# Altium PCB Ixora.PcbDoc (part 6 of 13) (continued)
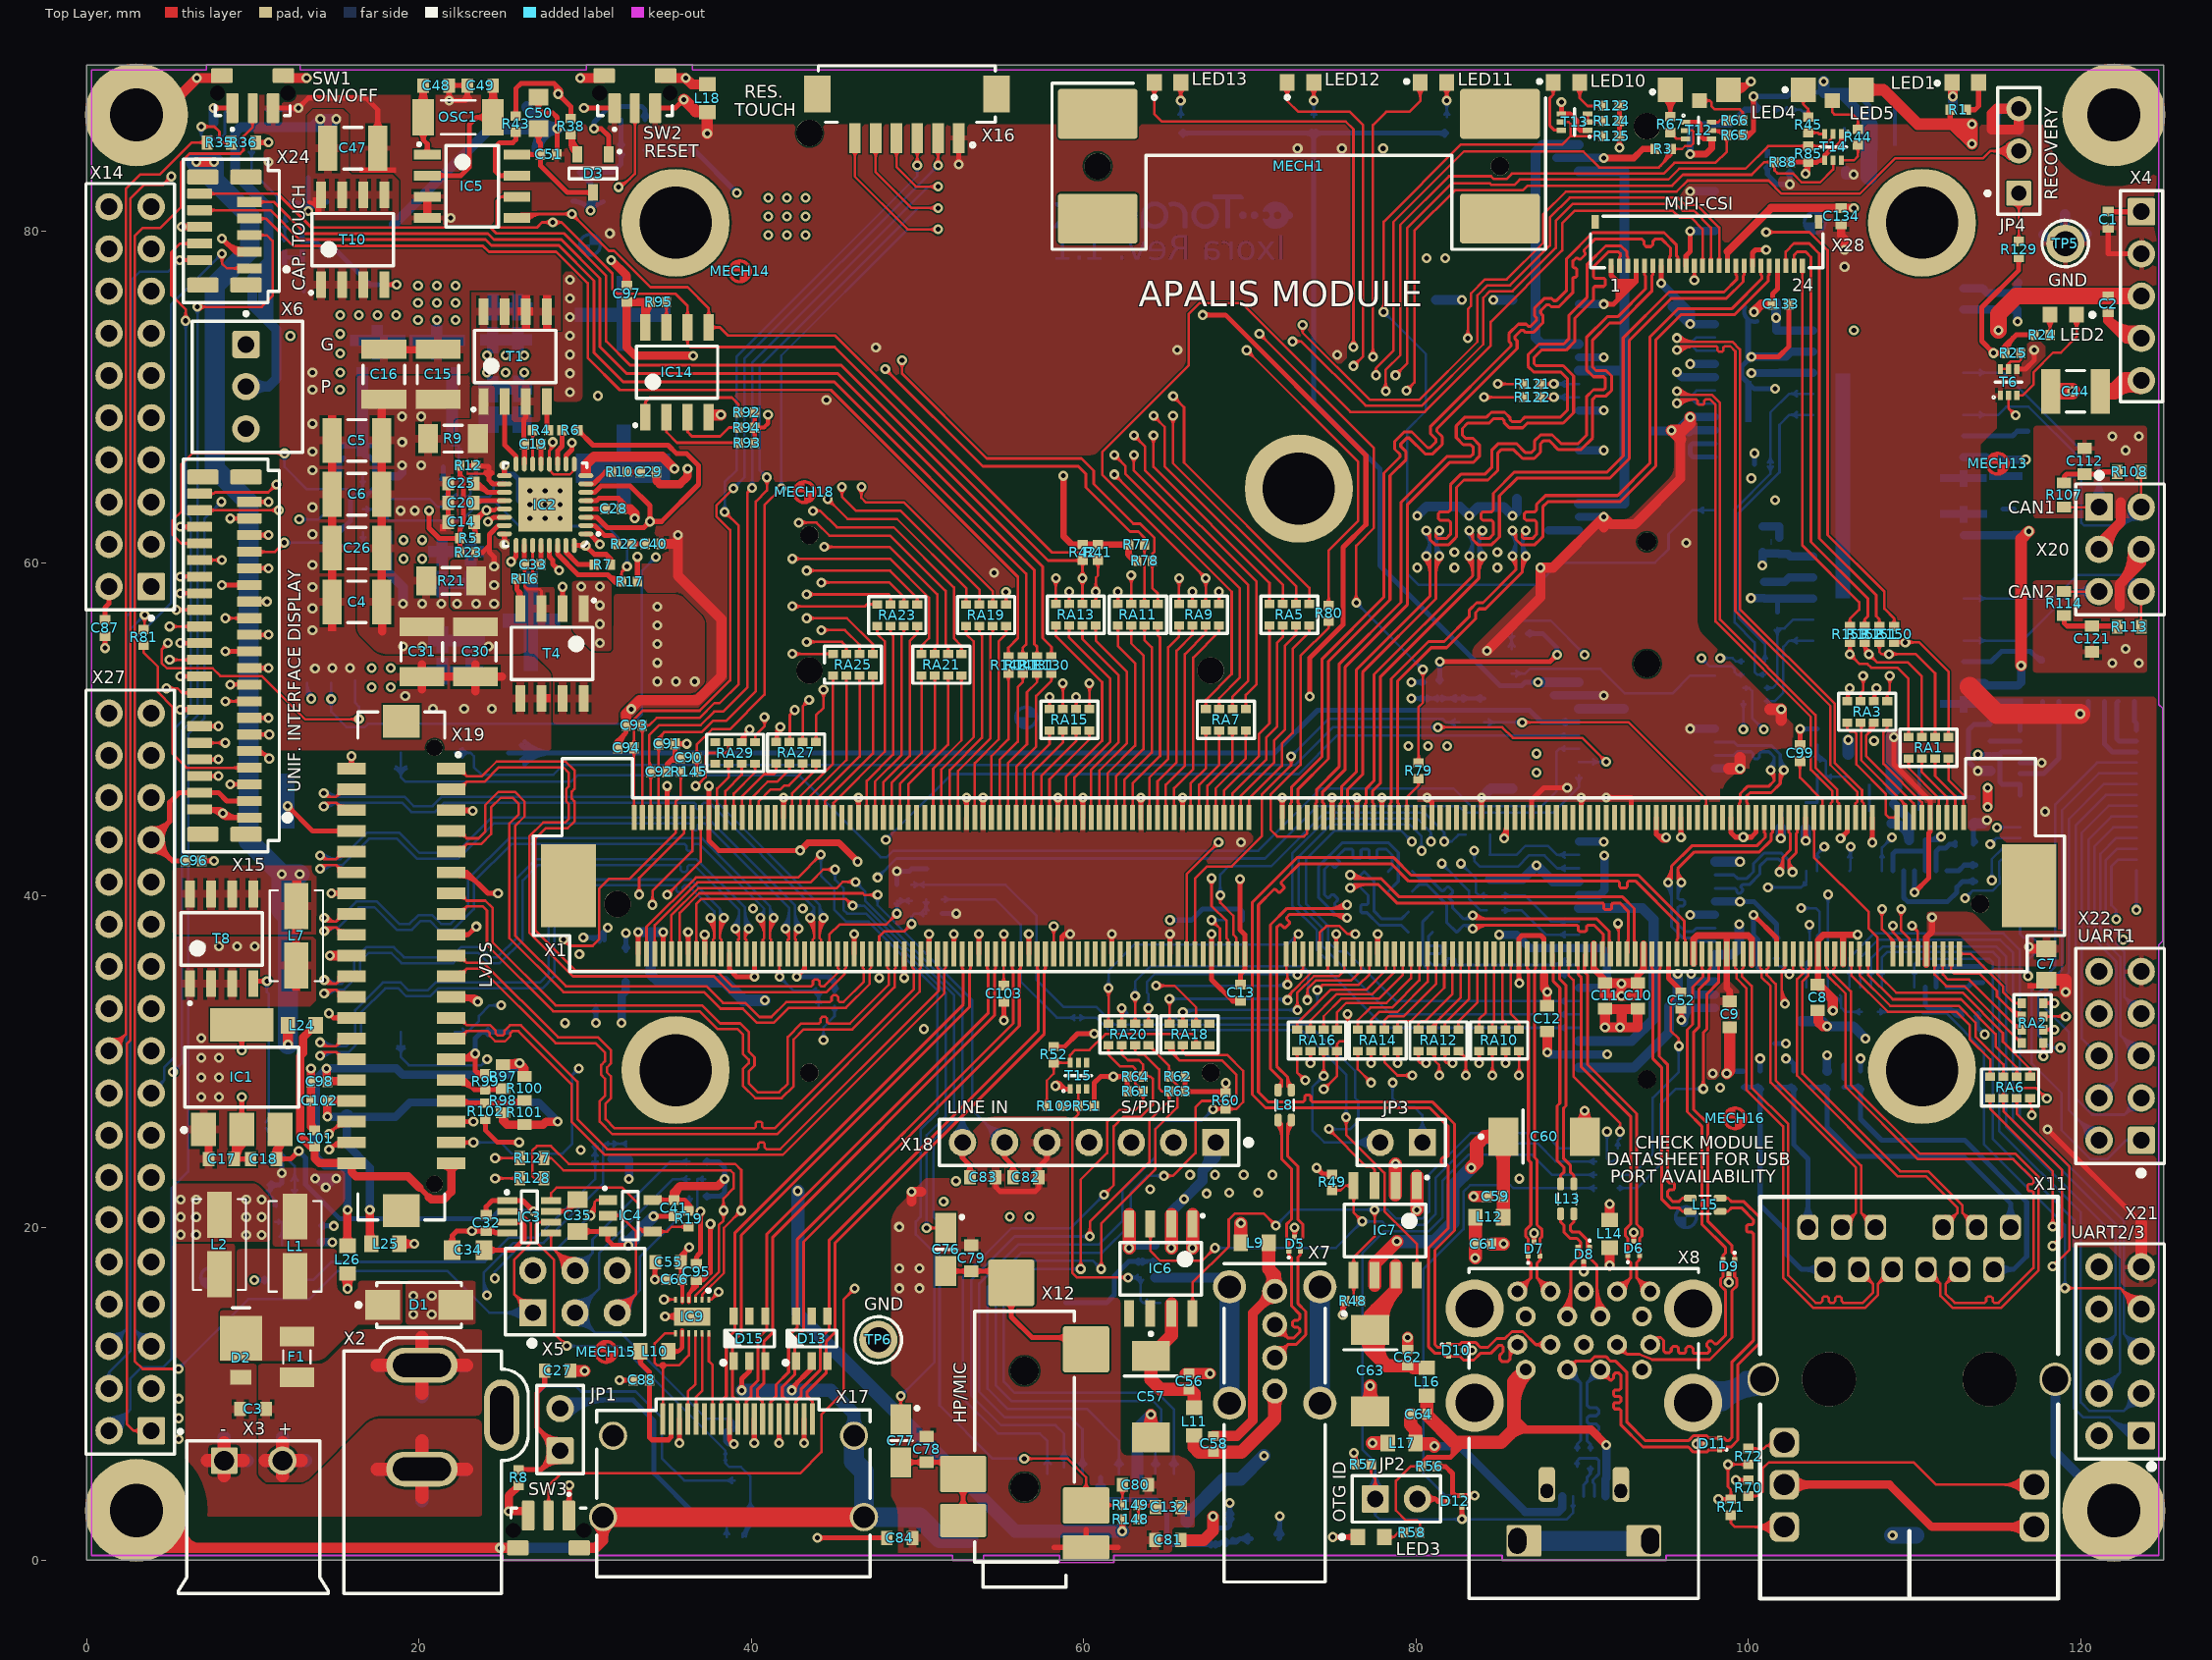
[diagram p0: Top Layer view]
## Nets (pads, with @x,y where several pads share a name; then routed paths per layer and width w, separated by ;. In a path a pad name is that pad's centre, name@x,y a point inside that pad or via, vN(x,y) a via of type N, cw(c..) or ccw(c..) an arc to the next point about the centre after c; other vN are vias at no path point) (continued)
  Top Layer w0.165: IC5.5@25.908,80.797 26.137,81.026 v1(29.21,81.026) 31.42,78.816 31.75,78.816 33.934,76.632 36.17,76.632 37.44,75.362 IC14.5@37.44,74.201 38.118,74.201 38.608,73.711 45.043,73.711 58.099,60.655 60.389,60.655 R41.1@60.869,60.175 ; IC5.5@26.328,80.877 cw(c26.688,80.517) IC5.5@26.688,81.026 ; IC5.5@26.445,80.76 cw(c27.087,80.119) 27.087,81.026 ; IC5.5@26.562,80.644 cw(c27.485,79.72) 27.485,81.026 ; v1@29.056,80.872 ccw(c28.685,80.501) 28.685,81.026 ccw(c28.685,81.551) v1@29.056,81.18 ; v1@29.21,80.808 cw(c29.21,80.283) 29.581,80.655 cw(c29.953,81.026) v1@29.428,81.026 ; IC14.5@37.286,74.855 ccw(c36.915,75.226) 37.44,75.226 ccw(c37.965,75.226) IC14.5@37.593,74.855 ; IC14.5@37.593,74.047 cw(c37.965,73.676) 37.965,74.201 cw(c37.965,74.726) IC14.5@37.593,74.355 ; 60.481,60.564 cw(c60.092,60.175) R41.1@60.642,60.175 ; 60.541,60.503 ccw(c60.844,60.806) R41.1@60.844,60.378
  Mid-Layer 1 w0.15: v1(8.153,78.638) 9.093,79.578 28.473,79.578 29.21,80.315 v1(29.21,81.026) ; v1@8.153,78.863 ccw(c8.153,79.407) 8.537,79.023 ccw(c8.922,78.638) v1@8.378,78.638 ; v1@29.051,80.867 cw(c28.667,80.483) 29.21,80.483 cw(c29.753,80.483) v1@29.369,80.867 ; v1@60.572,58.134 cw(c60.188,57.75) 60.731,57.75 cw(c61.274,57.75) v1@60.89,58.134 ; v1(60.731,58.293) 60.731,57.582 62.259,56.054 68.652,56.054 69.784,57.186 69.784,59.299 68.032,61.051 68.032,66.431 75.198,73.598 81.308,73.598 84.099,70.807 v1(84.099,70) 79.028,64.928 79.028,57.854 82.575,54.306 82.575,47.932 82.22,47.577 82.22,42.6 v1(81.553,41.933) ; v1@81.553,42.158 ccw(c81.553,42.702) 81.937,42.317 ccw(c82.321,41.933) v1@81.778,41.933 ; v1@83.874,70 cw(c83.331,70) 83.715,69.616 cw(c84.099,69.232) v1@84.099,69.775 ; v1@83.94,70.159 ccw(c83.556,70.543) 84.099,70.543 ccw(c84.643,70.543) v1@84.258,70.159
  Bottom Layer w0.15: X27.5@3.163,13.022 ccw(c2.223,13.202) 2.9,13.88 ; X27.5@3.311,12.993 ccw(c2.558,13.138) 3.1,13.68 ccw(c3.642,14.222) X27.5@3.787,13.469 ; X27.5@3.458,12.965 ccw(c2.894,13.073) 3.3,13.48 ccw(c3.707,13.886) X27.5@3.815,13.322 ; X27.5@3.758,13.617 cw(c3.578,14.557) 2.9,13.88 ; X27.5@3.9,12.88 2.9,13.88 ; v1@7.928,78.638 cw(c7.385,78.638) 7.769,78.254 cw(c8.153,77.87) v1@8.153,78.413 ; v1(8.153,78.638) 5.08,75.565 5.08,57.607 2.9,55.427 2.9,13.88 ; v1@81.553,41.708 cw(c81.553,41.165) 81.937,41.549 cw(c82.321,41.933) v1@81.778,41.933 ; v1(81.553,41.933) 83.185,40.302 83.185,39.82 83.893,39.112 R136.1@84.246,39.112
I2C2_DDC_SCL: IC9.11 X17.15 | length 5.6
  Top Layer w0.15: X17.15@36.63,9.353 ccw(c36.502,9.481) 36.683,9.481 ccw(c36.864,9.481) X17.15@36.736,9.353 ; X17.15@36.683,8.5 36.683,9.835 37.05,10.202 IC9.11@37.05,13.65
I2C2_DDC_SDA: IC9.10 X17.16 | length 5.6
  Top Layer w0.15: X17.16@36.13,9.353 ccw(c36.002,9.481) 36.183,9.481 ccw(c36.364,9.481) X17.16@36.236,9.353 ; X17.16@36.183,8.5 36.183,10.148 36.65,10.615 IC9.10@36.65,13.65
I2C2_SCL: IC9.2 R128.1 RA11.5 | length 96.5
  Top Layer w0.15: R128.1@27.338,22.816 ccw(c26.951,22.458) 26.951,22.986 ; R128.1@27.338,23.155 cw(c26.951,23.513) 26.951,22.986 ; R128.1@27.522,22.986 26.951,22.986 ; IC9.2@37.05,15.7 37.05,15.989 38.352,17.291 38.352,20.002 v1(39.4,21.05) 39.4,23.49 39.04,23.851 29.032,23.851 27.94,24.943 27.102,24.943 26.822,24.663 26.822,23.114 26.951,22.986 ; v1@39.175,21.05 cw(c38.632,21.05) 39.016,20.666 cw(c39.4,20.282) v1@39.4,20.825 ; v1@39.241,21.209 ccw(c38.857,21.593) 39.4,21.593 ccw(c39.943,21.593) v1@39.559,21.209 ; v1@61.906,58.134 cw(c61.522,57.75) 62.065,57.75 cw(c62.608,57.75) v1@62.224,58.134 ; RA11.5@61.941,57.68 ccw(c61.643,57.979) 62.065,57.979 ccw(c62.487,57.979) RA11.5@62.189,57.68 ; RA11.5@62.065,57.556 v1(62.065,58.293)
  Mid-Layer 2 w0.15: v1(39.4,21.05) 43.765,21.05 45.568,22.853 45.568,38.735 43.942,40.361 42.647,40.361 41.402,41.605 41.402,43.663 42.163,44.423 55.568,44.423 56.346,45.202 56.346,51.317 57.557,52.527 57.557,59.313 57.857,59.614 60.744,59.614 v1(62.065,58.293) ; v1@39.559,20.891 cw(c39.943,20.507) 39.943,21.05 cw(c39.943,21.593) v1@39.559,21.209 ; v1@61.84,58.293 ccw(c61.297,58.293) 61.681,58.677 ccw(c62.065,59.061) v1@62.065,58.518
I2C2_SDA: IC9.3 R127.1 RA11.6 | length 94.9
  Top Layer w0.15: R127.1@27.522,24.205 27.967,24.205 ; R127.1@27.736,24.075 cw(c27.967,23.934) 27.967,24.205 ; R127.1@27.736,24.335 ccw(c27.967,24.475) 27.967,24.205 ; IC9.3@36.65,15.7 36.65,15.942 38.05,17.342 38.05,20.17 38.33,20.45 v1(38.33,21.05) 38.33,21.769 38.938,22.377 38.938,23.292 38.76,23.47 28.702,23.47 27.967,24.205 ; v1@38.171,20.891 cw(c37.787,20.507) 38.33,20.507 cw(c38.873,20.507) v1@38.489,20.891 ; v1@38.171,21.209 ccw(c37.787,21.593) 38.33,21.593 ccw(c38.873,21.593) v1@38.489,21.209 ; v1@62.706,59.125 cw(c62.322,58.74) 62.865,58.74 cw(c63.408,58.74) v1@63.024,59.125 ; RA11.6@62.741,57.68 ccw(c62.443,57.979) 62.865,57.979 ccw(c63.287,57.979) RA11.6@62.989,57.68 ; RA11.6@62.865,57.556 v1@62.865,59.106
  Mid-Layer 2 w0.15: v1(38.33,21.05) 38.906,21.626 43.597,21.626 45.042,23.071 45.042,38.804 43.942,39.903 42.348,39.903 40.867,41.384 40.867,43.884 41.941,44.958 55.347,44.958 55.812,45.423 55.812,51.539 57.074,52.801 57.074,59.538 57.506,59.969 61.189,59.969 61.874,59.284 v1(62.865,59.284) ; v1@38.33,21.275 ccw(c38.33,21.818) 38.714,21.434 ccw(c39.098,21.05) v1@38.555,21.05 ; v1@62.706,59.125 ccw(c62.322,58.74) 62.322,59.284 ccw(c62.322,59.827) v1@62.706,59.443
I2C_CAM1_SCL: R77.2 RA11.7 X14.15 X28.13 | length 147.6
  Top Layer w0.15: v1@48.067,71.475 cw(c48.067,70.932) 48.452,71.316 cw(c48.836,71.7) v1@48.292,71.7 ; v1(72.568,73.355) 73.101,73.355 ; v1@72.729,73.198 cw(c73.101,72.836) 73.101,73.355 ; v1@72.729,73.512 ccw(c73.101,73.875) 73.101,73.355 ; X28.13@97.697,78.309 ccw(c97.569,78.437) 97.75,78.437 ccw(c97.931,78.437) X28.13@97.803,78.309 ; X28.13@97.75,77.905 97.75,80.197 96.725,81.222 96.04,81.222 95.619,81.643 89.447,81.643 88.417,80.613 88.417,78.988 85.808,76.378 84.45,76.378 84.049,75.977 84.049,73.181 80.362,69.494 76.962,69.494 73.101,73.355
  Top Layer w0.165: v1(48.067,71.7) 53.931,65.837 59.679,65.837 60.13,65.386 60.13,64.573 62.795,61.908 63.289,61.908 63.664,61.533 ; R77.2@63.52,60.967 cw(c63.175,60.622) 63.664,60.622 cw(c64.152,60.622) R77.2@63.807,60.967 ; RA11.7@63.547,57.675 ccw(c63.264,57.957) 63.664,57.957 ; R77.2@63.553,61.33 ccw(c63.422,61.533) 63.664,61.533 ; RA11.7@63.664,57.556 R77.2@63.664,61.135 63.664,61.533 ; 63.664,57.964 ccw(c64.073,57.964) RA11.7@63.783,57.675 ; R77.2@63.774,61.33 cw(c63.905,61.533) 63.664,61.533
  Mid-Layer 1 w0.15: X14.15@3.9,76.38 5.997,76.38 6.557,76.941 10.901,76.941 12.111,78.151 29.565,78.151 34.641,73.076 46.692,73.076 v1(48.067,71.7) 70.913,71.7 v1(72.568,73.355) ; X14.15@4.218,76.062 cw(c4.986,75.294) 4.986,76.38 cw(c4.986,77.466) X14.15@4.218,76.698 ; X14.15@4.324,75.956 cw(c5.349,74.931) 5.349,76.38 cw(c5.349,77.829) X14.15@4.324,76.804 ; X14.15@4.43,75.85 cw(c5.711,74.569) 5.711,76.38 cw(c5.711,78.191) X14.15@4.43,76.91 ; v1@47.842,71.7 ccw(c47.299,71.7) 47.683,72.084 ccw(c48.067,72.468) v1@48.067,71.925 ; v1@48.227,71.541 cw(c48.611,71.157) 48.611,71.7 cw(c48.611,72.243) v1@48.227,71.859 ; v1@72.343,73.355 cw(c71.8,73.355) 72.184,72.971 cw(c72.568,72.587) v1@72.568,73.13
I2C_CAM1_SDA: R78.2 RA11.8 X14.16 X28.14 | length 149.9
  Top Layer w0.15: v1@48.914,72.07 cw(c48.53,71.686) 49.073,71.686 cw(c49.616,71.686) v1@49.232,72.07 ; v1@73.04,74.168 cw(c72.825,73.889) 73.177,73.889 ; v1(73.177,74.346) 73.177,73.889 ; v1@73.315,74.168 ccw(c73.529,73.889) 73.177,73.889 ; X28.14@98.197,78.309 ccw(c98.069,78.437) 98.25,78.437 ccw(c98.431,78.437) X28.14@98.303,78.309 ; X28.14@98.25,77.905 98.25,80.21 96.876,81.585 96.19,81.585 95.769,82.006 89.259,82.006 88.062,80.809 88.062,79.135 85.66,76.733 84.303,76.733 83.693,76.124 83.693,73.329 80.214,69.85 77.216,69.85 73.177,73.889
  Top Layer w0.165: v1(49.073,72.229) 49.073,71.416 54.178,66.311 59.876,66.311 60.604,65.583 60.604,64.77 62.992,62.382 63.398,62.382 64.262,61.519 64.262,60.706 64.138,60.582 ; R78.2@63.995,59.999 cw(c63.657,59.662) 64.135,59.662 ; R78.2@64.022,60.358 ccw(c63.865,60.582) 64.138,60.582 ; 64.135,59.646 cw(c64.635,59.646) R78.2@64.281,59.999 ; R78.2@64.135,60.168 64.135,58.522 64.465,58.192 RA11.8@64.465,57.556 ; R78.2@64.138,60.168 64.138,60.582 ; R78.2@64.254,60.358 cw(c64.411,60.582) 64.138,60.582 ; RA11.8@64.347,57.675 ccw(c64.061,57.961) 64.465,57.961 ccw(c64.869,57.961) RA11.8@64.583,57.675
  Mid-Layer 1 w0.15: X14.16@1.36,76.38 2.399,77.419 ; X14.16@1.431,76.824 ccw(c1.532,77.455) 1.984,77.003 ccw(c2.435,76.552) X14.16@1.804,76.451 ; X14.16@1.455,76.972 ccw(c1.589,77.814) 2.191,77.211 ccw(c2.794,76.609) X14.16@1.953,76.475 ; X14.16@1.478,77.121 ccw(c1.646,78.172) 2.399,77.419 ; X14.16@2.101,76.498 cw(c3.152,76.666) 2.399,77.419 ; v1@48.848,72.229 ccw(c48.305,72.229) 48.689,72.613 ccw(c49.073,72.997) v1@49.073,72.454 ; v1@49.232,72.07 cw(c49.616,71.686) 49.616,72.229 cw(c49.616,72.772) v1@49.232,72.388 ; v1@73.011,74.195 ccw(c72.669,73.885) 72.669,74.346 ; v1@73.011,74.497 cw(c72.669,74.807) 72.669,74.346 ; v1(73.177,74.346) 72.669,74.346 ; 2.399,77.419 9.855,77.419 11.063,78.627 29.664,78.627 34.783,73.508 47.795,73.508 v1(49.073,72.229) 70.553,72.229 72.669,74.346
INT#: IC3.5 R18.2 X5.4 | length 26
  Top Layer w0.15: IC3.5@27.867,19.607 cw(c27.653,19.393) 27.955,19.393 cw(c28.257,19.393) IC3.5@28.043,19.607 ; IC3.5@27.955,19.695 27.955,18.885 X5.4@29.4,17.44 ; X5.4@28.65,17.44 ccw(c26.839,17.44) 28.12,18.72 ccw(c29.4,20.001) X5.4@29.4,18.19 ; X5.4@28.8,17.44 ccw(c27.351,17.44) 28.376,18.464 ccw(c29.4,19.489) X5.4@29.4,18.04 ; X5.4@28.95,17.44 ccw(c27.864,17.44) 28.632,18.208 ccw(c29.4,18.976) X5.4@29.4,17.89
  Bottom Layer w0.15: X5.4@29.4,17.44 30.45,18.49 ; X5.4@29.467,17.885 ccw(c29.565,18.534) 30.03,18.07 ccw(c30.494,17.605) X5.4@29.845,17.507 ; X5.4@29.49,18.033 ccw(c29.621,18.899) 30.24,18.28 ccw(c30.859,17.661) X5.4@29.993,17.53 ; X5.4@29.512,18.182 ccw(c29.676,19.264) 30.45,18.49 ; X5.4@30.142,17.552 cw(c31.224,17.716) 30.45,18.49 ; R18.2@36.111,23.832 ccw(c35.727,23.448) 35.727,23.991 ccw(c35.727,24.534) R18.2@36.111,24.15 ; R18.2@36.27,23.991 35.124,23.991 30.45,19.317 30.45,18.49
KILL#: IC3.8 IC4.4 R19.2 | length 14.9
  Top Layer w0.15: IC3.8@27.867,21.733 ccw(c27.653,21.947) 27.955,21.947 ccw(c28.257,21.947) IC3.8@28.043,21.733 ; IC3.8@27.955,21.645 27.955,22.105 28.278,22.428 32.244,22.428 33.2,21.473 33.2,20.05 ; 33.338,19.912 ccw(c33.6,20.175) IC4.4@33.787,19.854 ; 33.476,19.774 ccw(c33.702,20.001) IC4.4@33.863,19.724 ; IC4.4@33.624,19.688 ccw(c33.461,19.607) 33.461,19.789 ; IC4.4@33.624,19.89 cw(c33.461,19.971) 33.461,19.789 ; IC4.4@33.712,19.983 cw(c33.499,20.349) 33.2,20.05 ; IC4.4@34.484,19.63 cw(c34.868,19.246) 34.868,19.789 cw(c34.868,20.332) IC4.4@34.484,19.948 ; R19.2@36.041,19.922 ccw(c35.683,19.563) 35.683,20.07 ccw(c35.683,20.577) R19.2@36.041,20.219 ; R19.2@36.215,20.07 35.22,20.07 34.939,19.789 IC4.4@34.075,19.789 33.461,19.789 ; 33.2,20.05 33.461,19.789
LCD1_B2: RA27.7 X15.13 | length 45.3
  Top Layer w0.15: X15.13@9.8,50.7 v1(10.95,50.7) ; X15.13@10.409,50.541 cw(c10.793,50.157) 10.793,50.7 cw(c10.793,51.243) X15.13@10.409,50.859 ; X15.13@10.44,50.579 cw(c10.57,50.496) 10.61,50.645 cw(c10.668,50.861) X15.13@10.46,50.781 ; X15.13@10.44,50.821 ccw(c10.57,50.904) 10.61,50.755 ccw(c10.668,50.539) X15.13@10.46,50.619 ; v1@10.791,50.541 ccw(c10.407,50.157) 10.407,50.7 ccw(c10.407,51.243) v1@10.791,50.859 ; RA27.7@42.976,49.374 ccw(c42.678,49.673) 43.1,49.673 ccw(c43.522,49.673) RA27.7@43.224,49.374 ; RA27.7@43.1,49.25 43.1,51.4 v1(43.488,51.787) ; v1@43.262,51.787 cw(c42.719,51.787) 43.103,51.403 cw(c43.488,51.019) v1@43.488,51.562
  Mid-Layer 1 w0.15: v1(10.95,50.7) 11.48,50.7 ; v1@11.112,50.544 cw(c11.48,50.188) 11.48,50.7 ; v1@11.112,50.856 ccw(c11.48,51.212) 11.48,50.7 ; v1@43.328,51.628 ccw(c42.944,51.244) 42.944,51.787 ccw(c42.944,52.331) v1@43.328,51.947 ; v1(43.488,51.787) 42.863,51.787 42.517,52.133 39.483,52.133 36.965,49.615 34.553,49.615 32.62,47.682 17.697,47.682 16.505,48.875 13.305,48.875 11.48,50.7
LCD1_B3: RA27.6 X15.12 | length 46.5
  Top Layer w0.15: X15.12@6.8,50.2 v1(7.95,50.2) ; X15.12@7.409,50.041 cw(c7.793,49.657) 7.793,50.2 cw(c7.793,50.743) X15.12@7.409,50.359 ; X15.12@7.44,50.079 cw(c7.57,49.996) 7.61,50.145 cw(c7.668,50.361) X15.12@7.46,50.281 ; X15.12@7.44,50.321 ccw(c7.57,50.404) 7.61,50.255 ccw(c7.668,50.039) X15.12@7.46,50.119 ; v1@7.791,50.041 ccw(c7.407,49.657) 7.407,50.2 ccw(c7.407,50.743) v1@7.791,50.359 ; RA27.6@42.176,49.374 ccw(c41.817,49.733) 42.325,49.733 ; RA27.6@42.3,49.25 42.325,49.275 42.325,50.875 ; 42.325,49.612 ccw(c42.662,49.612) RA27.6@42.424,49.374 ; v1@42.404,51.133 cw(c42.122,51.078) 42.325,50.875 ; v1@42.583,50.954 ccw(c42.528,50.672) 42.325,50.875 ; v1(42.625,51.175) 42.325,50.875
  Mid-Layer 1 w0.15: v1(7.95,50.2) 11.25,50.2 13.05,48.4 15.032,48.4 16.15,47.282 32.905,47.282 34.288,48.665 36.615,48.665 39.6,51.65 42.15,51.65 v1(42.625,51.175) ; v1@8.109,50.041 cw(c8.493,49.657) 8.493,50.2 cw(c8.493,50.743) v1@8.109,50.359 ; v1@42.4,51.175 ccw(c41.857,51.175) 42.241,51.559 ccw(c42.625,51.943) v1@42.625,51.4
LCD1_B4: RA27.5 X15.11 | length 44.6
  Top Layer w0.15: X15.11@9.8,49.7 v1(11,49.7) ; X15.11@10.409,49.541 cw(c10.793,49.157) 10.793,49.7 cw(c10.793,50.243) X15.11@10.409,49.859 ; X15.11@10.437,49.575 cw(c10.591,49.473) 10.639,49.651 cw(c10.717,49.941) X15.11@10.45,49.803 ; X15.11@10.437,49.825 ccw(c10.591,49.927) 10.639,49.749 ccw(c10.717,49.459) X15.11@10.45,49.597 ; v1@10.841,49.541 ccw(c10.457,49.157) 10.457,49.7 ccw(c10.457,50.243) v1@10.841,49.859 ; RA27.5@41.376,49.374 ccw(c41.078,49.673) 41.5,49.673 ccw(c41.922,49.673) RA27.5@41.624,49.374 ; RA27.5@41.463,49.402 ccw(c41.319,49.651) 41.597,49.576 ; RA27.5@41.5,49.216 cw(c42.431,49.216) v1@41.883,49.968 ; RA27.5@41.5,49.25 41.5,49.9 ; 41.5,49.511 cw(c42.216,49.511) v1@41.794,50.089 ; 41.5,49.806 cw(c42.001,49.806) v1@41.706,50.211 ; v1@41.538,50.073 cw(c41.383,50.017) 41.5,49.9 ; 41.607,49.615 ccw(c41.846,49.551) RA27.5@41.673,49.375 ; v1@41.673,49.938 ccw(c41.617,49.783) 41.5,49.9 ; v1(41.75,50.15) 41.5,49.9
  Mid-Layer 1 w0.15: v1@11,49.475 cw(c11,48.932) 11.384,49.316 cw(c11.768,49.7) v1@11.225,49.7 ; v1(11,49.7) 12.9,47.8 15.006,47.8 15.924,46.882 33.155,46.882 34.373,48.1 36.65,48.1 39.775,51.225 41.208,51.225 41.75,50.683 ; v1@41.593,50.311 ccw(c41.231,50.683) 41.75,50.683 ; v1(41.75,50.15) 41.75,50.683 ; v1@41.907,50.311 cw(c42.269,50.683) 41.75,50.683
LCD1_B5: RA29.8 X15.10 | length 42.9
  Top Layer w0.15: X15.10@6.8,49.2 v1(8.35,49.2) ; X15.10@7.409,49.041 cw(c7.793,48.657) 7.793,49.2 cw(c7.793,49.743) X15.10@7.409,49.359 ; v1@8.191,49.041 ccw(c7.807,48.657) 7.807,49.2 ccw(c7.807,49.743) v1@8.191,49.359 ; RA29.8@40.235,49.255 40.235,49.623 40.8,50.188 v1(40.8,50.75) ; v1@40.641,50.591 cw(c40.257,50.207) 40.8,50.207 cw(c41.343,50.207) v1@40.959,50.591
  Mid-Layer 1 w0.15: v1(8.35,49.2) 10.722,49.2 12.582,47.34 14.89,47.34 15.798,46.432 33.37,46.432 34.538,47.6 36.778,47.6 39.928,50.75 v1(40.8,50.75) ; v1@8.509,49.041 cw(c8.893,48.657) 8.893,49.2 cw(c8.893,49.743) v1@8.509,49.359 ; v1@40.641,50.591 ccw(c40.257,50.207) 40.257,50.75 ccw(c40.257,51.293) v1@40.641,50.909
LCD1_B6: RA29.7 X15.9 | length 41.1
  Top Layer w0.15: X15.9@9.8,48.7 10.55,48.7 v1(11,48.25) ccw(c10.422,47.672) X15.9@10.287,48.478 ; X15.9@10.238,48.774 cw(c10.304,48.378) 10.588,48.662 ; X15.9@10.262,48.626 cw(c10.363,48.025) v1@10.794,48.456 ; v1@10.775,48.25 ccw(c10.232,48.25) 10.616,48.634 ccw(c11,49.018) v1@11,48.475 ; RA29.7@39.351,49.394 ccw(c39.274,49.535) 39.435,49.535 ; RA29.7@39.361,49.221 cw(c39.775,49.284) 39.479,49.579 ; RA29.7@39.435,49.24 39.435,49.535 ; RA29.7@39.51,49.244 cw(c40.141,49.338) v1@39.69,49.79 ; RA29.7@39.519,49.394 cw(c39.596,49.535) 39.435,49.535 ; RA29.7@39.658,49.266 cw(c40.507,49.393) v1(39.9,50) 39.435,49.535 ; v1@39.675,50 cw(c39.132,50) 39.516,49.616 cw(c39.9,49.232) v1@39.9,49.775
  Mid-Layer 1 w0.15: v1@11,48.025 cw(c11,47.482) 11.384,47.866 cw(c11.768,48.25) v1@11.225,48.25 ; v1(11,48.25) 12.4,46.85 14.77,46.85 15.588,46.032 33.637,46.032 34.755,47.15 37.05,47.15 v1(39.9,50) ; v1@39.675,50 cw(c39.132,50) 39.516,49.616 cw(c39.9,49.232) v1@39.9,49.775
LCD1_B7: RA29.6 X15.8 | length 41.9
  Top Layer w0.15: X15.8@6.8,48.2 v1(7.95,48.2) ; X15.8@7.409,48.041 cw(c7.793,47.657) 7.793,48.2 cw(c7.793,48.743) X15.8@7.409,48.359 ; X15.8@7.44,48.079 cw(c7.57,47.996) 7.61,48.145 cw(c7.668,48.361) X15.8@7.46,48.281 ; X15.8@7.44,48.321 ccw(c7.57,48.404) 7.61,48.255 ccw(c7.668,48.039) X15.8@7.46,48.119 ; v1@7.791,48.041 ccw(c7.407,47.657) 7.407,48.2 ccw(c7.407,48.743) v1@7.791,48.359 ; v1@36.627,46.732 ccw(c36.627,47.276) 37.011,46.892 ccw(c37.395,46.507) v1@36.852,46.507 ; v1(36.65,46.6) 36.716,46.6 37.25,47.134 37.25,48.403 37.437,48.59 38.471,48.59 38.635,48.754 RA29.6@38.635,49.24 ; RA29.6@38.511,49.116 cw(c38.213,48.818) 38.635,48.818 cw(c39.058,48.818) RA29.6@38.759,49.116
  Mid-Layer 1 w0.15: v1(7.95,48.2) 8.493,48.2 ; v1@8.109,48.041 cw(c8.493,47.657) 8.493,48.2 ; v1@8.109,48.359 ccw(c8.493,48.743) 8.493,48.2 ; v1@36.425,46.6 cw(c35.882,46.6) 36.266,46.216 cw(c36.65,45.832) v1@36.65,46.375 ; v1@36.6,46.6 v1(36.65,46.6) 35.682,45.632 15.682,45.632 14.9,44.85 11.843,44.85 8.493,48.2
LCD1_CONF1: R83.2 R84.1 X15.33 | length 11.1
  Top Layer w0.15: X15.33@9.8,60.7 11.35,60.7 v1(11.9,61.25) ; X15.33@10.409,60.541 cw(c10.793,60.157) 10.793,60.7 cw(c10.793,61.243) X15.33@10.409,60.859 ; v1@11.675,61.25 cw(c11.132,61.25) 11.516,60.866 cw(c11.9,60.482) v1@11.9,61.025
  Bottom Layer w0.15: v1(11.9,61.25) 14.595,61.25 14.757,61.087 16.459,61.087 16.651,61.279 ; v1@12.059,61.091 cw(c12.443,60.707) 12.443,61.25 cw(c12.443,61.793) v1@12.059,61.409 ; R83.2@16.502,61.573 cw(c16.284,61.279) 16.651,61.279 ; R83.2@16.651,61.874 16.651,61.279 ; R83.2@16.799,61.573 ccw(c17.017,61.279) 16.651,61.279
LCD1_CONF2: R86.2 R87.2 X15.34 | length 22.5
  Top Layer w0.15: X15.34@6.174,61.059 ccw(c5.881,60.825) 5.881,61.2 ccw(c5.881,61.575) X15.34@6.174,61.341 ; X15.34@6.8,61.2 5.704,61.2 5.175,61.729 5.175,62.579 5.715,63.119 5.715,65.965 6.375,66.625 v1(11.913,66.625) ; v1@11.753,66.466 ccw(c11.369,66.082) 11.369,66.625 ccw(c11.369,67.168) v1@11.753,66.784
  Bottom Layer w0.15: v1@11.753,66.466 cw(c11.385,66.098) 11.906,66.098 ; 11.906,66.066 cw(c12.472,66.066) v1@12.072,66.466 ; v1@11.913,66.616 11.913,65.811 13.259,64.465 16.434,64.465 16.625,64.657 ; R86.2@16.486,64.92 cw(c16.308,64.657) 16.625,64.657 ; R86.2@16.625,65.227 16.625,64.657 ; R86.2@16.765,64.92 ccw(c16.943,64.657) 16.625,64.657
LCD1_DE: RA21.8 X15.32 | length 60.2
  Top Layer w0.15: X15.32@6.8,60.2 v1(8.15,60.2) ; X15.32@7.409,60.041 cw(c7.793,59.657) 7.793,60.2 cw(c7.793,60.743) X15.32@7.409,60.359 ; v1@7.991,60.041 ccw(c7.607,59.657) 7.607,60.2 ccw(c7.607,60.743) v1@7.991,60.359 ; v1(43.722,63.163) 44.152,63.163 45.149,62.166 48.574,62.166 52.195,58.545 52.195,55.495 52.647,55.043 RA21.8@52.647,54.555 ; v1@43.909,63.038 cw(c44.144,62.88) 44.144,63.163 cw(c44.144,63.446) v1@43.909,63.288 ; RA21.8@52.523,54.679 ccw(c52.225,54.978) 52.647,54.978 ccw(c53.07,54.978) RA21.8@52.771,54.679
  Mid-Layer 1 w0.15: v1@8.15,59.975 cw(c8.15,59.432) 8.534,59.816 cw(c8.918,60.2) v1@8.375,60.2 ; v1(8.15,60.2) 9.292,59.058 13.84,59.058 16.154,56.744 30.099,56.744 30.277,56.921 31.671,56.921 33.64,58.89 35.573,58.89 38.191,61.509 41.188,61.509 42.843,63.163 v1(43.722,63.163) ; v1@43.563,63.004 ccw(c43.179,62.62) 43.179,63.163 ccw(c43.179,63.706) v1@43.563,63.322
LCD1_G2: RA23.5 X15.20 | length 53.2
  Top Layer w0.15: v1(5,54.2) X15.20@6.8,54.2 ; v1@5.159,54.041 cw(c5.543,53.657) 5.543,54.2 cw(c5.543,54.743) v1@5.159,54.359 ; X15.20@6.191,54.041 ccw(c5.807,53.657) 5.807,54.2 ccw(c5.807,54.743) X15.20@6.191,54.359 ; v1(42.474,57.416) 46.85,57.416 46.969,57.536 RA23.5@47.587,57.536 ; v1@42.633,57.257 cw(c43.017,56.873) 43.017,57.416 cw(c43.017,57.959) v1@42.633,57.575 ; RA23.5@47.413,57.412 ccw(c47.115,57.113) 47.115,57.536 ccw(c47.115,57.958) RA23.5@47.413,57.659
  Mid-Layer 1 w0.15: v1(5,54.2) 11.653,54.2 13.123,52.73 16.231,52.73 17.475,51.486 19.634,51.486 20.549,52.4 35.663,52.4 36.05,52.788 36.05,53.25 40.216,57.416 v1(42.474,57.416) ; v1@5.159,54.041 cw(c5.543,53.657) 5.543,54.2 cw(c5.543,54.743) v1@5.159,54.359 ; v1@42.315,57.257 ccw(c41.931,56.873) 41.931,57.416 ccw(c41.931,57.959) v1@42.315,57.575
LCD1_G3: RA25.8 X15.19 | length 47.9
  Top Layer w0.15: X15.19@9.8,53.7 v1(10.95,53.7) ; X15.19@10.409,53.541 cw(c10.793,53.157) 10.793,53.7 cw(c10.793,54.243) X15.19@10.409,53.859 ; X15.19@10.44,53.579 cw(c10.57,53.496) 10.61,53.645 cw(c10.668,53.861) X15.19@10.46,53.781 ; X15.19@10.44,53.821 ccw(c10.57,53.904) 10.61,53.755 ccw(c10.668,53.539) X15.19@10.46,53.619 ; v1@10.791,53.541 ccw(c10.407,53.157) 10.407,53.7 ccw(c10.407,54.243) v1@10.791,53.859 ; v1(43.341,56.701) 45.763,56.701 47.323,55.141 RA25.8@47.323,54.555 ; v1@43.5,56.542 cw(c43.885,56.158) 43.885,56.701 cw(c43.885,57.244) v1@43.5,56.86 ; RA25.8@47.199,54.679 ccw(c46.901,54.978) 47.323,54.978 ccw(c47.745,54.978) RA25.8@47.447,54.679
  Mid-Layer 1 w0.15: v1(10.95,53.7) 11.532,53.7 12.882,52.35 16.001,52.35 17.247,51.105 19.964,51.105 20.747,51.888 36.278,51.888 38.946,54.556 40.467,54.556 42.612,56.701 v1(43.341,56.701) ; v1@11.109,53.541 cw(c11.493,53.157) 11.493,53.7 cw(c11.493,54.243) v1@11.109,53.859 ; v1@43.182,56.542 ccw(c42.798,56.158) 42.798,56.701 ccw(c42.798,57.244) v1@43.182,56.86
LCD1_G4: RA25.7 X15.18 | length 52.6
  Top Layer w0.15: v1(5.65,53.2) X15.18@6.8,53.2 ; v1@5.809,53.041 cw(c6.193,52.657) 6.193,53.2 cw(c6.193,53.743) v1@5.809,53.359 ; X15.18@6.14,53.119 ccw(c5.932,53.039) 5.99,53.255 ccw(c6.03,53.404) X15.18@6.16,53.321 ; X15.18@6.14,53.281 cw(c5.932,53.361) 5.99,53.145 cw(c6.03,52.996) X15.18@6.16,53.079 ; X15.18@6.191,53.041 ccw(c5.807,52.657) 5.807,53.2 ccw(c5.807,53.743) X15.18@6.191,53.359 ; v1(44.209,55.986) 45.641,55.986 46.523,55.104 RA25.7@46.523,54.555 ; v1@44.368,55.827 cw(c44.752,55.442) 44.752,55.986 cw(c44.752,56.529) v1@44.368,56.145 ; RA25.7@46.399,54.679 ccw(c46.101,54.978) 46.523,54.978 ccw(c46.945,54.978) RA25.7@46.647,54.679
  Mid-Layer 1 w0.15: v1(5.65,53.2) 11.224,53.2 13.324,51.1 16.65,51.1 17.1,50.65 32.921,50.65 33.621,51.35 36.4,51.35 39.14,54.09 40.602,54.09 42.498,55.986 v1(44.209,55.986) ; v1@5.809,53.041 cw(c6.193,52.657) 6.193,53.2 cw(c6.193,53.743) v1@5.809,53.359 ; v1@44.05,55.827 ccw(c43.666,55.442) 43.666,55.986 ccw(c43.666,56.529) v1@44.05,56.145 ; v1@44.301,55.859 ccw(c44.042,55.671) 44.042,55.992 ccw(c44.042,56.313) v1@44.301,56.124
LCD1_G5: RA25.6 X15.17 | length 47.7
  Top Layer w0.15: v1(8.65,52.7) X15.17@9.8,52.7 ; v1@8.809,52.541 cw(c9.193,52.157) 9.193,52.7 cw(c9.193,53.243) v1@8.809,52.859 ; X15.17@9.14,52.619 ccw(c8.932,52.539) 8.99,52.755 ccw(c9.03,52.904) X15.17@9.16,52.821 ; X15.17@9.14,52.781 cw(c8.932,52.861) 8.99,52.645 cw(c9.03,52.496) X15.17@9.16,52.579 ; X15.17@9.191,52.541 ccw(c8.807,52.157) 8.807,52.7 ccw(c8.807,53.243) X15.17@9.191,52.859 ; v1(43.341,55.27) 45.466,55.27 45.723,55.013 RA25.6@45.723,54.555 ; v1@43.5,55.111 cw(c43.885,54.727) 43.885,55.27 cw(c43.885,55.814) v1@43.5,55.429 ; RA25.6@45.599,54.679 ccw(c45.301,54.978) 45.723,54.978 ccw(c46.145,54.978) RA25.6@45.847,54.679
  Mid-Layer 1 w0.15: v1(8.65,52.7) 11.076,52.7 13.626,50.15 33.03,50.15 33.86,50.98 36.556,50.98 39.294,53.718 40.814,53.718 42.367,55.27 v1(43.341,55.27) ; v1@8.809,52.541 cw(c9.193,52.157) 9.193,52.7 cw(c9.193,53.243) v1@8.809,52.859 ; v1@43.182,55.111 ccw(c42.798,54.727) 42.798,55.27 ccw(c42.798,55.814) v1@43.182,55.429
LCD1_G6: RA25.5 X15.16 | length 50.1
  Top Layer w0.15: v1(4.815,52.475) 5.485,52.475 5.76,52.2 X15.16@6.8,52.2 ; v1@4.974,52.316 cw(c5.358,51.932) 5.358,52.475 cw(c5.358,53.018) v1@4.974,52.634 ; X15.16@6.191,52.041 ccw(c5.807,51.657) 5.807,52.2 ccw(c5.807,52.743) X15.16@6.191,52.359 ; v1@42.321,54.555 v1(42.474,54.555) RA25.5@44.923,54.555 ; v1@42.633,54.396 cw(c43.017,54.012) 43.017,54.555 cw(c43.017,55.098) v1@42.633,54.714 ; RA25.5@44.749,54.431 ccw(c44.451,54.133) 44.451,54.555 ccw(c44.451,54.978) RA25.5@44.749,54.679
  Mid-Layer 1 w0.15: v1(4.815,52.475) 5.004,52.475 5.279,52.2 ; v1@4.845,52.406 cw(c4.947,52.177) 5.124,52.355 ; v1@4.906,52.269 cw(c5.042,51.963) 5.279,52.2 ; v1@42.249,54.555 cw(c41.706,54.555) 42.09,54.171 cw(c42.474,53.787) v1@42.474,54.33 ; v1@42.366,54.447 41.227,53.308 39.463,53.308 36.655,50.5 34.015,50.5 33.265,49.75 13.5,49.75 11.05,52.2 5.279,52.2
LCD1_G7: RA27.8 X15.15 | length 49.3
  Top Layer w0.15: v1(8.35,51.7) X15.15@9.8,51.7 ; v1@8.509,51.541 cw(c8.893,51.157) 8.893,51.7 cw(c8.893,52.243) v1@8.509,51.859 ; X15.15@9.191,51.541 ccw(c8.807,51.157) 8.807,51.7 ccw(c8.807,52.243) X15.15@9.191,51.859 ; RA27.8@43.776,49.374 ccw(c43.478,49.673) 43.9,49.673 ccw(c44.322,49.673) RA27.8@44.024,49.374 ; RA27.8@43.9,49.25 43.9,50.855 44.35,51.305 v1(44.35,52.4) ; v1@44.191,52.241 cw(c43.807,51.857) 44.35,51.857 cw(c44.893,51.857) v1@44.509,52.241
  Mid-Layer 1 w0.15: v1(8.35,51.7) 11.004,51.7 13.425,49.278 16.914,49.278 18.11,48.082 32.29,48.082 34.258,50.05 36.8,50.05 39.5,52.75 42.55,52.75 42.9,52.4 v1(44.35,52.4) ; v1@8.509,51.541 cw(c8.893,51.157) 8.893,51.7 cw(c8.893,52.243) v1@8.509,51.859 ; v1@44.191,52.241 ccw(c43.807,51.857) 43.807,52.4 ccw(c43.807,52.943) v1@44.191,52.559
LCD1_HSYNC: RA19.5 X15.30 | length 62.1
  Top Layer w0.15: v1(5.65,59.2) X15.30@6.8,59.2 ; v1@5.809,59.041 cw(c6.193,58.657) 6.193,59.2 cw(c6.193,59.743) v1@5.809,59.359 ; X15.30@6.14,59.119 ccw(c5.932,59.039) 5.99,59.255 ccw(c6.03,59.404) X15.30@6.16,59.321 ; X15.30@6.14,59.281 cw(c5.932,59.361) 5.99,59.145 cw(c6.03,58.996) X15.30@6.16,59.079 ; X15.30@6.191,59.041 ccw(c5.807,58.657) 5.807,59.2 ccw(c5.807,59.743) X15.30@6.191,59.359 ; v1@44.59,63.653 cw(c44.59,63.11) 44.974,63.494 cw(c45.358,63.878) v1@44.815,63.878 ; v1(44.59,63.878) 45.802,62.666 48.781,62.666 52.934,58.513 RA19.5@52.934,57.536 ; RA19.5@52.811,57.659 ccw(c52.512,57.958) 52.934,57.958 ccw(c53.357,57.958) RA19.5@53.058,57.659
  Mid-Layer 1 w0.15: v1(5.65,59.2) 5.65,59.222 7.478,61.05 9.057,61.05 9.687,60.42 14.408,60.42 16.713,58.115 29.015,58.115 29.2,58.3 29.2,58.702 29.598,59.1 32.49,59.1 33.207,59.817 34.773,59.817 37.165,62.21 40.823,62.21 42.799,64.186 44.282,64.186 ; v1@5.65,59.425 ccw(c5.65,59.916) 5.997,59.569 ; v1@5.875,59.2 cw(c6.471,59.2) 6.049,59.621 ; v1@44.368,63.916 ccw(c44.065,63.968) 44.282,64.186 ; v1@44.552,64.1 cw(c44.5,64.404) 44.282,64.186 ; v1@44.638,63.83 v1(44.59,63.878) 44.282,64.186
LCD1_PCLK: RA19.7 X15.28 | length 66.1
  Top Layer w0.15: v1(5.65,58.2) X15.28@6.8,58.2 ; v1@5.809,58.041 cw(c6.193,57.657) 6.193,58.2 cw(c6.193,58.743) v1@5.809,58.359 ; X15.28@6.14,58.119 ccw(c5.932,58.039) 5.99,58.255 ccw(c6.03,58.404) X15.28@6.16,58.321 ; X15.28@6.14,58.281 cw(c5.932,58.361) 5.99,58.145 cw(c6.03,57.996) X15.28@6.16,58.079 ; X15.28@6.191,58.041 ccw(c5.807,57.657) 5.807,58.2 ccw(c5.807,58.743) X15.28@6.191,58.359 ; v1@46.471,64.434 cw(c46.087,64.05) 46.63,64.05 cw(c47.173,64.05) v1@46.789,64.434 ; v1(46.63,64.593) 46.63,63.936 46.9,63.666 49.195,63.666 54.534,58.327 RA19.7@54.534,57.536 ; RA19.7@54.411,57.659 ccw(c54.112,57.958) 54.534,57.958 ccw(c54.957,57.958) RA19.7@54.658,57.659
  Mid-Layer 1 w0.15: 5.172,58.378 ccw(c5.486,58.693) v1@5.626,58.271 ; 5.343,58.207 ccw(c5.572,58.435) v1@5.674,58.129 ; v1@5.579,58.413 cw(c5.4,58.95) 5,58.55 ; v1(5.65,58.2) 5.35,58.2 5,58.55 ; v1@46.405,64.593 ccw(c45.862,64.593) 46.246,64.978 ccw(c46.63,65.362) v1@46.63,64.818 ; v1(46.63,64.593) 46.123,65.1 43.18,65.1 40.64,62.56 35.179,62.56 34.29,61.671 20.98,61.671 20.777,61.875 20.003,61.875 19.273,61.874 15.469,61.875 14.369,60.775 10.525,60.775 9.575,61.725 7.126,61.725 5,59.599 5,58.55